# Altium PCB spd150.PcbDoc (part 4 of 15) (continued)
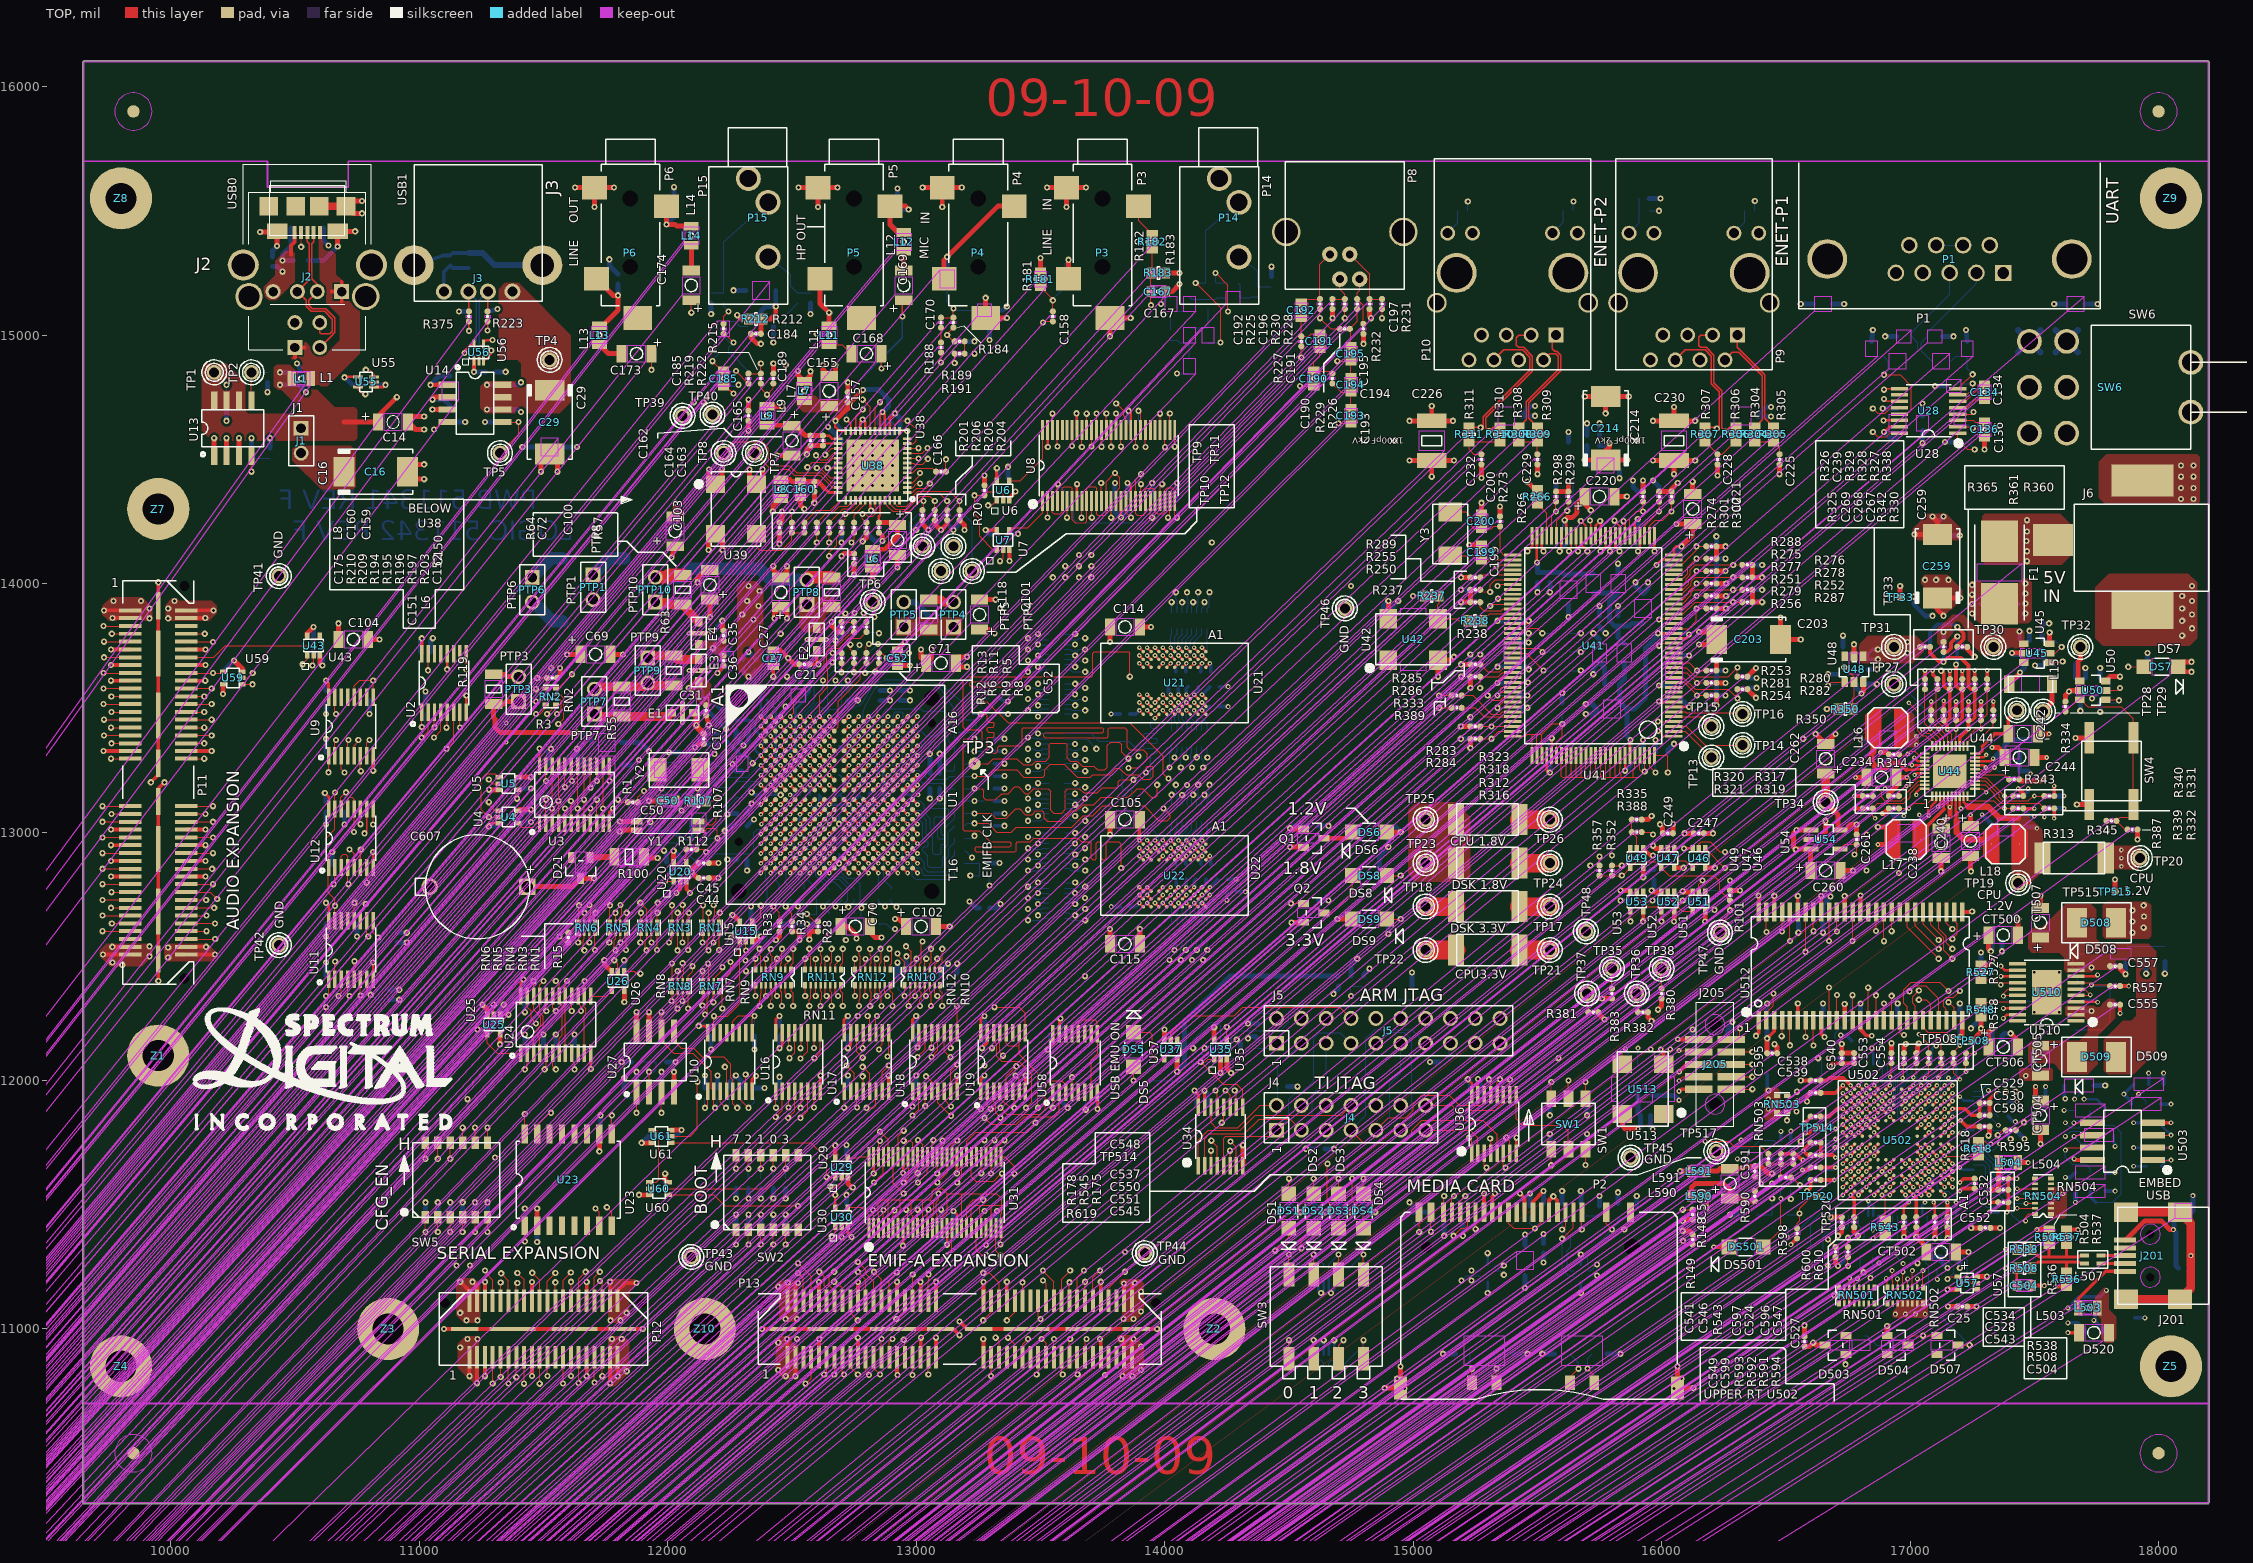
[diagram p0: TOP view]
## Nets (pads, with @x,y where several pads share a name; then routed paths per layer and width w, separated by ;. In a path a pad name is that pad's centre, name@x,y a point inside that pad or via, vN(x,y) a via of type N, cw(c..) or ccw(c..) an arc to the next point about the centre after c; other vN are vias at no path point) (continued)
  LYR3-SIG w4: 12385,12815 12395,12825 12395,12840 12414.3,12859.3 v2(12414.3,12874.2)
  LYR3-SIG w5: v1(12165.2,12674.8) 12195,12645 12222.5,12645 12240,12662.5 12240,12725 12230,12735 12230,12781.4 12264.3,12815.7 12305.1,12815.7 12305.8,12815 12309.8,12815 12314.8,12810 12380,12810 12385,12815
AXR1[2]: RN1.2 U1.P2 | length 591.4
  TOP w5: RN1.2@12184.8,12635.5 12184.8,12659.8 12190,12665 12190,12701.3 v1(12185.4,12705.9)
  TOP w10: v2(12414.3,12913.6) U1.P2@12434,12933.3
  LYR3-SIG w4: 12350,12837.5 12367.5,12855 12377.7,12855 12395,12872.3 12395,12894.3 v2(12414.3,12913.6)
  LYR3-SIG w5: v1(12185.4,12705.9) 12185.4,12671.3 12201.7,12655 12218.3,12655 12230,12666.7 12230,12720 12215,12735 12215,12785 12265,12835 12300,12835 12310,12825 12337.5,12825 12350,12837.5
AXR1[3]: RN1.1 U1.P1 | length 472.9
  TOP w5: RN1.1@12207.4,12635.5 12207.4,12672.4 v1(12210,12675)
  TOP w10: v2(12374.9,12913.6) U1.P1@12394.6,12933.3
  LYR3-SIG w4: 12350,12885 12374.9,12909.9 v2(12374.9,12913.6)
  LYR3-SIG w5: v1(12210,12675) 12210,12715 12170,12755 12170,12815 12190,12835 12250,12835 12280,12865 12330,12865 12350,12885
AXR1[4]: RN3.4 U1.N2 | length 751.8
  TOP w5: RN3.4@12017.6,12635.5 v1(12017.6,12705)
  TOP w10: v2(12414.3,12953) U1.N2@12434,12972.7
  LYR3-SIG w4: 12350,12926 12361.5,12937.5 12398.8,12937.5 v2(12414.3,12953)
  LYR3-SIG w5: v1(12017.6,12705) 12017.6,12669.1 12041.7,12645 12097.5,12645 12115,12662.5 12115,12687.5 12112.6,12689.9 12112.6,12719.2 12145,12751.6 12145,12827 12173,12855 12235,12855 12267.5,12887.5 12317.5,12887.5 12349,12919 12349,12925 12350,12926
AXR1[5]: RN3.3 U1.N1 | length 633.8
  TOP w5: RN3.3@12040.2,12635.5 v1(12040.2,12674.8)
  TOP w10: v2(12374.9,12953) U1.N1@12394.6,12972.7
  LYR3-SIG w4: 12350,12941 12362,12953 v2(12374.9,12953)
  LYR3-SIG w5: v1(12040.2,12674.8) 12060,12655 12093.3,12655 12105,12666.7 12105,12683.3 12102.6,12685.7 12102.6,12723.4 12130,12750.8 12130,12835 12212.9,12917.9 12242.9,12917.9 12260.3,12900.5 12309.5,12900.5 12350,12941
AXR1[6]: RN3.2 U1.M4 | length 784.2
  TOP w5: RN3.2@12059.8,12635.5 12059.8,12659.8 12065,12665 12065,12701.3 v1(12060.4,12705.9)
  TOP w10: v2(12493.1,12992.4) U1.M4@12512.8,13012.1
  LYR3-SIG w4: 12350,12976.9 12420.8,12976.9 12429.8,12985.9 12429.8,12990.5 12447.2,13007.9 12477.6,13007.9 v2(12493.1,12992.4)
  LYR3-SIG w5: v1(12060.4,12705.9) 12060.4,12855.4 12152.5,12947.5 12202.5,12947.5 12265,13010 12306,13010 12339.1,12976.9 12350,12976.9
AXR1[7]: RN3.1 U1.M3 | length 660.8
  TOP w5: RN3.1@12082.4,12635.5 12082.4,12672.4 v1(12085,12675)
  TOP w10: v2(12453.7,12992.4) U1.M3@12473.4,13012.1
  LYR3-SIG w4: 12350,12957.8 12361.1,12968.9 12430.2,12968.9 v2(12453.7,12992.4)
  LYR3-SIG w5: v1(12085,12675) 12085,12720 12115,12750 12115,12840 12205,12930 12245,12930 12260.8,12914.2 12306.4,12914.2 12350,12957.8
AXR1[8]: RN4.4 U1.M2 | length 822.9
  TOP w5: RN4.4@11892.6,12635.5 v1(11892.6,12675)
  TOP w10: v2(12414.3,12992.4) U1.M2@12434,13012.1
  LYR3-SIG w4: 12350,13008.3 12398.4,13008.3 v2(12414.3,12992.4)
  LYR3-SIG w5: v1(11892.6,12675) 11870,12697.6 11870,12735 12170,13035 12311,13035 12337.7,13008.3 12350,13008.3
AXR1[9]: RN4.3 U1.M1 | length 753.6
  TOP w5: v1(11890,12715) 11915.2,12689.8 RN4.3@11915.2,12635.5
  TOP w10: v2(12374.9,12992.4) U1.M1@12394.6,13012.1
  LYR3-SIG w4: 12350,12992.4 v2(12374.9,12992.4)
  LYR3-SIG w5: v1(11890,12715) 11890.1,12715.1 11890.1,12730.4 12184.7,13025 12306,13025 12338.6,12992.4 12350,12992.4
AXR1[10]: RN4.2 U1.N3 | length 862.1
  TOP w5: RN4.2@11934.8,12635.5 11934.8,12689.8 v1(11960,12715)
  TOP w10: v2(12453.7,12953) U1.N3@12473.4,12972.7
  LYR3-SIG w4: 12350,12905 12359,12914 12359,12920 12368.5,12929.5 12430.2,12929.5 v2(12453.7,12953)
  LYR3-SIG w5: v1(11960,12715) 12002.5,12672.5 12002.5,12670 12037.5,12635 12101.7,12635 12125,12658.3 12125,12691.7 12122.6,12694.1 12122.6,12713.3 12155.7,12746.4 12155.7,12823.5 12177.2,12845 12240,12845 12272.5,12877.5 12322.5,12877.5 12350,12905
AXR1[11]: RN4.1 U1.T4 | length 732.6
  TOP w5: RN4.1@11957.4,12635.5 11957.4,12672.4 v1(11960,12675)
  TOP w10: v2(12493.1,12834.8) U1.T4@12512.8,12854.5
  LYR3-SIG w4: 12473.3,12815 v2(12493.1,12834.8)
  LYR3-SIG w5: v1(11960,12675) 12010,12625 12232,12625 12243,12636 12311,12636 12355,12680 12355,12720 12375,12740 12398.3,12740 12473.3,12815
B_RMII_CRS_DV: R241.1 U8.43 | length 2520.2
  TOP w5: U8.43@13765.2,14618 v1(13765.2,14684.8)
  LYR3-SIG w5: v1(13765.2,14684.8) 13765.2,14720.2 13790,14745 14560,14745 15105,14200 15305,14200 15450,14055 15525,14055 15675,13905 v1(15675,13800)
  BOTTOM w5: R241.1@15630,13800 v1(15675,13800)
B_RMII_MDIO_CLK: U8.30 U41.94 | length 2300.3
  TOP w5: U8.30@14021,14618 v1(14021,14684) ; v1(15300,13550) 15320,13530 15350,13530 15363.1,13543.1 U41.94@15401,13543.1
  LYR3-SIG w5: v1(14021,14684) 14060,14645 14510,14645 15095,14060 15195,14060 15235,14020 15350,14020 15380,13990 15380,13764.2 15300,13684.2 v1(15300,13550)
B_RMII_MDIO_D: R236.2 U8.32 U41.95 | length 2442.7
  TOP w5: U8.32@13981.6,14618 v1(13981.6,14683.4) ; v1(15340,13500) 15363.4,13523.4 U41.95@15401,13523.4
  LYR3-SIG w5: v1(13981.6,14683.4) 14008.2,14710 14050,14710 14076,14684 14536,14684 15110,14110 15220,14110 15280,14050 15360,14050 15415,13995 15415,13575 v1(15340,13500)
  BOTTOM w5: v1(15340,13500) R236.2@15380,13500
B_RMII_MHZ_50: R237.1 U8.54 | length 1865.9
  TOP w5: U8.54@13548.7,14618 v1(13548.7,14683.7) ; v1(15000,13950) R237.1@15045,13950
  LYR3-SIG w5: v1(13548.7,14683.7) 13551.3,14683.7 13660,14575 14375,14575 v1(15000,13950)
B_RMII_RXD[0]: R242.1 U8.41 | length 2507.3
  TOP w5: U8.41@13804.5,14618 v1(13804.5,14684.5)
  LYR3-SIG w5: v1(13804.5,14684.5) 13840,14720 14535,14720 15125,14130 15310,14130 15460,13980 15460,13970 15546,13884 15546,13779 v1(15675,13650)
  BOTTOM w5: R242.1@15630,13650 v1(15675,13650)
B_RMII_RXD[1]: R243.1 U8.39 | length 2544.3
  TOP w5: v1(13805,14725) 13835,14695 13835,14675 13843.9,14666.1 U8.39@13843.9,14618
  LYR3-SIG w5: v1(13805,14725) 13810,14730 14550,14730 15100,14180 15300,14180 15440,14040 15510,14040 15601.5,13948.5 15601.5,13798.5 v1(15675,13725)
  BOTTOM w5: R243.1@15630,13725 v1(15675,13725)
B_RMII_RXER: R22.1 U8.36 | length 125.3
  TOP w5: v1(13895,14695) 13902.9,14687.1 U8.36@13902.9,14618
  BOTTOM w5: R22.1@13895,14650 v1(13895,14695)
B_RMII_TXD[0]: U8.50 U41.75 | length 2115.7
  TOP w5: v1(13627,14553) 13627.4,14553.4 U8.50@13627.4,14618 ; v1(15310,13910) 15317.5,13917.5 U41.75@15401,13917.5
  LYR3-SIG w5: v1(13627,14553) 13627,14548 13655,14520 14385,14520 15000,13905 15305,13905 v1(15310,13910)
B_RMII_TXD[1]: U8.47 U41.74 | length 2097
  TOP w5: U8.47@13686.4,14618 v1(13686.4,14683.6) ; v1(15341.2,13939.2) 15343.2,13937.2 U41.74@15401,13937.2
  LYR3-SIG w5: v1(13686.4,14683.6) 13775,14595 14470,14595 15120,13945 15260,13945 15275,13930 15332,13930 v1(15341.2,13939.2)
B_RMII_TXEN: U8.45 U41.71 | length 2086.5
  TOP w5: U8.45@13725.8,14618 v1(13725.8,14684.2) ; v1(15340,13990) 15346.3,13996.3 U41.71@15401,13996.3
  LYR3-SIG w5: v1(13725.8,14684.2) 13795,14615 14485,14615 15145,13955 15264.2,13955 15279.2,13940 15313,13940 15340,13967 v1(15340,13990)
BE0: U502.J4 U512.15 | length 855.3
  TOP w5: U512.15@16831.5,12242 v1(16831.5,12373.5)
  TOP w10: U502.J4@17060.3,11807.3 v2(17076,11823)
  LYR8-SIG w4: 16950,12055 16950,11864 16975.5,11838.5 17060.5,11838.5 v2(17076,11823)
  LYR8-SIG w5: v1(16831.5,12373.5) 16831.5,12333.5 16903.5,12261.5 16903.5,12101.5 16950,12055
BE1: U502.K2 U512.39 | length 982.6
  TOP w5: v1(16863,12602) U512.39@16863,12678
  TOP w10: U502.K2@17123.3,11838.8 v2(17139,11854.5)
  LYR8-SIG w4: 17115,12070 17129.5,12055.5 17129.5,12004.5 17123.5,11998.5 17123.5,11870 v2(17139,11854.5)
  LYR8-SIG w5: v1(16863,12602) 16893,12602 17080,12415 17080,12105 17115,12070
BOOT_DISABLE: U5.2 U6.1 U26.2 U29.1 U52.4 U53.2 U61.1 | length 11342.9
  TOP w5: v1(11280,13211) 11280,13210 11295,13195 U5.2@11321,13195 ; v1(11785,12484) 11785,12485 11800,12470 U26.2@11800,12439 ; U61.1@12014,11749.4 12575.6,11749.4 12640,11685 v1(12640,11611) U29.1@12674.4,11611 ; v1(13290,14315) 13303.4,14315 U6.1@13324.4,14336 ; U53.2@15900,12759 15900,12740 15940,12700 15980.4,12700 U52.4@15999.4,12681 v1(15999.4,12640.6)
  LYR3-SIG w5: v1(11785,12484) 11819,12450 11898.3,12450 11938.3,12410 12240.1,12410 v1(12313.4,12483.3)
  LYR4-SIG w5: v1(11280,13211) 11289,13211 11370,13130 11370,12717.5 11630,12457.5 11758.5,12457.5 v1(11785,12484) ; v1(12313.4,12483.3) 12310,12486.7 12310,12490 12295,12505 12295,12590 12235,12650 12235,12710 12155,12790 12105,12790 12065,12830 11960,12830 11850,12940 11850,13290 12035,13475 12035,13535 12060,13560 12060,13595 12105,13640 12105,13665 12130,13690 12385,13690 12552.5,13857.5 12572.5,13857.5 12715,14000 12715,14030 12750,14065 12805,14065 13015,14275 13250,14275 v1(13290,14315)
  LYR7-SIG w5: v1(12313.4,12483.3) 12316.7,12480 12320,12480 12415,12385 12755,12385 12775,12365 12775,12325 12790,12310 12790,12285 12785,12280 12785,12170 12765,12150 12765,12005 12805,11965 13265,11965 13390,12090 13390,12180 13675,12465 13910,12465 13970,12405 15590,12405 15745,12560 15920,12560 15999.4,12639.4 v1(15999.4,12640.6)
  LYR8-SIG w5: v1(12313.4,12483.3) 12316.7,12480 12320,12480 12345,12455 12345,12380 12325,12360 12325,12315 12395,12245 12405,12245 12510,12140 12510,12015 12620,11905 12620,11631 v1(12640,11611)
BOOT_DISABLEN: TP48.1 U2.15 U4.1 U7.2 U9.15 U10.15 U11.15 U12.1 U12.15 U15.1 U25.1 U30.2 U43.1 U53.4 | length 13449.2
  TOP w5: v1(10530,13675) 10549.4,13694.4 U43.1@10549.4,13711 ; U11.15@10661,12642.6 v1(10661,12703) 10661,12729 10635,12755 10635,12857 U12.1@10635.4,12857.4 10635.4,12900 10625,12910.4 10625,12975 10661,13011 U12.15@10661,13092.6 v1(10661,13159) ; U9.15@10661,13542.6 10661,13479 v1(10665,13475) ; v1(11036,13651) U2.15@11036,13717.6 ; v1(11280,13120) 11280,13110 11304.4,13085.6 U4.1@11321,13085.6 ; U25.1@11325.6,12264 11359,12264 v1(11360,12265) ; U10.15@12186,12192.6 12186,12258 v1(12187,12259) 12239,12259 12289.4,12309.4 U15.1@12289.4,12561 ; v1(12700,11370) U30.2@12700,11411 ; v1(13338,14090) 13350,14102 U7.2@13350,14136 ; v1(15874.4,12640.6) U53.4@15874.4,12681
  LYR3-SIG w5: v1(10530,13675) 10530,13610 v1(10665,13475) 10725,13535 10805,13535 10921,13651 v1(11036,13651) ; v1(10661,12703) 10685,12679 10685,12470 10740,12415 10935,12415 11085,12265 v1(11360,12265) ; v1(12765,12260) 12790,12285 12790,12305 12820,12335 12820,12350 12833.7,12363.7 12907.2,12363.7 12930,12340.9 12930,12295 13050,12175 13260,12175 v1(13305,12130)
  LYR4-SIG w5: v1(10661,13159) 10615,13205 10615,13315 10645,13345 10645,13455 v1(10665,13475) ; v1(11036,13651) 10932.5,13547.5 10932.5,13397.5 11210,13120 v1(11280,13120) ; v1(12700,11370) 12700,11815 12735,11850 12735,11915 12765,11945 v1(12765,12260)
  LYR7-SIG w5: v1(11280,13120) 11240,13160 11240,13550 11225,13565 11225,13690 11205,13710 11205,14110 11345,14250 11785,14250 11900,14135 12075,14135 12105,14105 12610,14105 12630,14085 12940,14085 13015,14010 13275,14010 13338,14073 v1(13338,14090) ; v1(11360,12265) 11370,12255 11490,12255 11515,12230 12095,12230 12110,12245 12164.6,12245 12178.6,12259 v1(12187,12259) 12301,12259 12330,12230 12735,12230 v1(12765,12260) ; v1(13305,12130) 13730,12555 14955,12555 14975,12575 15670,12575 TP48.1@15695,12600 15833.8,12600 v1(15874.4,12640.6)
BOOTMODE[0]: R130.1 RN7.7 SW2.9 U24.4 U24.21 | length 2350.1
  TOP w5: U24.4@11486,12110 11486,12170.7 11480,12176.7 11480,12193.3 11500,12213.3 11500,12259.2 11486,12273.2 U24.21@11486,12340 11486,12386 v1(11500,12400) ; v1(12183.5,12315) 12183.5,12358.2 RN7.7@12184.8,12359.5 ; v1(12425,11645) SW2.9@12425,11700
  LYR3-SIG w5: v1(12183.5,12315) 12165,12315 12155,12325 12134.7,12325 12115,12305.3 12115,12250 12095,12230 12095,11916.7 12291.7,11720 12350,11720 v1(12425,11645)
  LYR8-SIG w5: v1(11500,12400) 11575,12325 11690,12325 11825,12190 12190,12190 12245,12245 12245,12300 12230,12315 v1(12183.5,12315)
  BOTTOM w5: R130.1@12425,11605 v1(12425,11645)
BOOTMODE[1]: R129.1 RN7.8 SW2.10 U24.7 U24.18 | length 2276.3
  TOP w5: v1(11550,12400) 11562.8,12387.2 U24.18@11562.8,12340 11562.8,12312.2 11575,12300 11575,12181.7 11562.8,12169.5 U24.7@11562.8,12110 ; RN7.8@12207.4,12359.5 12220,12346.9 v1(12220,12290) ; v1(12375,11645) SW2.10@12375,11700
  LYR3-SIG w5: v1(12220,12290) 12220,12313.3 12193.3,12340 12135.5,12340 12105,12309.5 12105,12265 12078.8,12238.8 12078.8,11889.1 12281.4,11686.5 12333.5,11686.5 v1(12375,11645)
  LYR8-SIG w5: v1(11550,12400) 11615,12335 11700,12335 11835,12200 12165,12200 12220,12255 v1(12220,12290)
  BOTTOM w5: R129.1@12375,11605 v1(12375,11645)
BOOTMODE[2]: R128.1 RN7.5 SW2.11 U24.3 U24.22 | length 2550.2
  TOP w5: U24.3@11460.4,12110 11460.4,12192.1 11490,12221.7 11490,12255 11460.4,12284.6 U24.22@11460.4,12340 v1(11460.4,12399.6) ; v1(12139.5,12301.5) 12140,12302 12140,12320 12142.6,12322.6 RN7.5@12142.6,12359.5 ; v1(12325,11645) SW2.11@12325,11700
  LYR3-SIG w5: v1(12139.5,12301.5) 12139.5,12299.5 12130.6,12290.6 12130.6,12254.4 12253,12132 12253,11972 12300,11925 12300,11820 12450,11670 12450,11630 12440,11620 12350,11620 v1(12325,11645)
  LYR8-SIG w5: v1(11460.4,12399.6) 11545,12315 11670,12315 11805,12180 12195,12180 12255,12240 12255,12310 12225,12340 12160,12340 12140,12320 12140,12302 v1(12139.5,12301.5)
  BOTTOM w5: R128.1@12325,11605 v1(12325,11645)
BOOTMODE[3]: RN7.6 U24.11 U24.14 U60.4 | length 2446
  TOP w5: v1(11665,12400) 11665.2,12399.8 U24.14@11665.2,12340 11665.2,12295 11671,12289.2 11671,12266.6 11665.2,12260.8 U24.11@11665.2,12110 ; U60.4@12004,11539.4 12185.6,11539.4 12230,11495 v1(12525,11495) ; v1(12150.6,12266.1) 12160,12275.5 12160,12330 12165.2,12335.2 RN7.6@12165.2,12359.5
  LYR3-SIG w5: v1(12150.6,12266.1) 12155.2,12266.1 12164.6,12256.7 12164.6,12245.4 12410,12000 12410,11840 12500,11750 12500,11520 v1(12525,11495)
  LYR8-SIG w5: v1(11665,12400) 11850,12215 12090.5,12215 12140.5,12265 12149.5,12265 v1(12150.6,12266.1)
BOOTMODE[7]: R127.1 RN8.5 SW2.12 U11.4 | length 2362.6
  TOP w5: U11.4@10712.2,12407.4 10712.2,12347.8 v1(10720,12340) ; v1(12015,12320) 12017.6,12322.6 RN8.5@12017.6,12359.5 ; v1(12275,11645) SW2.12@12275,11700
  LYR3-SIG w5: v1(12015,12320) 12015,12270 12060,12225 12060,11860 v1(12275,11645)
  LYR7-SIG w5: v1(10720,12340) 10800,12260 11325,12260 11410,12345 11990,12345 v1(12015,12320)
  BOTTOM w5: R127.1@12275,11605 v1(12275,11645)
C5509_CLK12MHZ: R618.2 U502.F2 | length 159.1
  TOP w4: v2(17139,11696.9) 17140.9,11695 R618.2@17255,11695
  TOP w5: R618.2@17255,11695 R618.2@17275,11695
  TOP w10: U502.F2@17123.3,11712.7 v2(17139,11696.9)
C5509_RSN: U502.H12 U511.86 | length 218.4
  TOP w10: v2(16792.4,11791.5) U502.H12@16808.2,11775.8
  BOTTOM w4: U511.86@16645,11720.6 16682.3,11720.6 16690,11712.9 16735.9,11712.9 16744.9,11721.9 16744.9,11744 v2(16792.4,11791.5)
CLK_12MHZ: R618.1 U511.38 | length 131.2
  TOP w5: R618.1@17275,11755 17300,11755 17310,11745 17324,11745 v3(17325,11744)
  BOTTOM w5: U511.38@17255,11760 17305.7,11760 17310.7,11755 17314,11755 v3(17325,11744)
CLKMEM: R591.1 U512.38 | length 734.4
  TOP w5: v1(16894.5,12560.5) U512.38@16894.5,12678 ; R591.1@17175,12110 17175,12115 v2(17200,12140)
  LYR3-SIG w5: v1(16894.5,12560.5) 17095,12360 17095,12325 17225,12195 17225,12150 17215,12140 v2(17200,12140)
CLKR0: RN502.10 U502.B5 | length 471.6
  TOP w5: RN502.10@17029,11167 v3(17029,11202)
  TOP w10: U502.B5@17028.8,11586.7 v2(17044.5,11570.9)
  LYR4-SIG w4: 16995,11455 16995,11471 17029,11505 17029,11555.4 v2(17044.5,11570.9)
  LYR4-SIG w5: 16995,11455 16995,11340 16990,11335 16990,11229.6 17017.6,11202 v3(17029,11202)
CLKX0: JP506.1 RN502.12 U502.C6 | length 1499
  TOP w5: RN502.12@16989.8,11167 v3(16989.8,11202)
  TOP w10: U502.C6@16997.3,11618.2 v2(17013,11602.4)
  LYR3-SIG w4: v2(17013,11602.4) 17013,11603 17028,11618 17255,11618
  LYR3-SIG w5: 17255,11618 17403,11618 17430,11645 17735,11645 v3(17825,11735)
  LYR4-SIG w4: 16910.1,11455 16910.1,11465.1 16945,11500 16945,11565 16966.4,11586.4 16996.4,11586.4 17012.4,11602.4 v2(17013,11602.4)
  LYR4-SIG w5: 16910.1,11455 16910.1,11227.7 16920.3,11217.5 16939.5,11217.5 16941.6,11219.6 16956.2,11219.6 16958.3,11217.5 16958.5,11217.5 16974,11202 v3(16989.8,11202)
  BOTTOM w10: JP506.1@17820,11780 17820,11750 17825,11745 v3(17825,11735)
CPU_1V2: C57.1 C58.1 PTP5.2 PTP6.2 R116.1 R117.1 R313.2 R347.1 TP20.1 U1.B1 | length 1037.1
  TOP w10: v2(12374.9,13425.8) U1.B1@12394.6,13406.1
  LYR3-SIG w25: 11415,13925 PTP6.2@11455,13925 ; 11455,13885 PTP6.2@11455,13925 ; 11455,13965 PTP6.2@11455,13925 ; 11495,13925 PTP6.2@11455,13925
  LYR8-SIG w25: 12910,13925 PTP5.2@12950,13925 ; 12950,13885 PTP5.2@12950,13925 ; 12950,13965 PTP5.2@12950,13925 ; 12990,13925 PTP5.2@12950,13925
  BOTTOM w10: v1(12325,13625) 12375,13575 12375,13495 12395,13475 12395,13445.9 v2(12374.9,13425.8)
  BOTTOM w15: C57.1@12303,13655 12303,13647 v1(12325,13625) 12350,13650 C58.1@12354.8,13651.7
  BOTTOM w20: R347.1@17540,13770 17530,13780 17530,13830 17540,13840 v1(17560,13840)
  BOTTOM w25: PTP5.2@12950,13925 12995,13925 R117.1@13050,13870
  BOTTOM w50: PTP6.2@11455,13925 11460,13925 11537.5,13847.5 R116.1@11575,13847.5
  other v1: 12345,13855 12300,13875 12365,13910 12320,13930 12370,13970 12325,13990 13550,14025 13600,14025 13655,14025 13705,14025 13600,14070 13655,14070 13705,14070 13655,14115 13705,14115
  other v2: 17850,12862 17850,12895 17850,12928
CPU_1V8: PTP8.2 PTP10.2 R57.2 R64.2 R323.2 TP26.1 | length 4708.6
  TOP w50: PTP10.2@11950,14025 11995,14025 12005,14035 R64.2@12060,14035 ; PTP8.2@12560,14015 12570,14025 R57.2@12660,14025
  TOP w75: R323.2@15427.5,13050 TP26.1@15550,13050
  LYR3-SIG w50: v1(14190,14165) 15305,13050 TP26.1@15550,13050
  LYR8-SIG w50: PTP8.2@12560,14015 12560,14095 12545,14110 12545,14190 12585,14230 12850,14230 12890,14270 13420,14270 13495,14195 14160,14195 v1(14190,14165)
  BOTTOM w50: PTP10.2@11950,14025 12050,14025 12085,14060 12370,14060 12415,14015 PTP8.2@12560,14015
CPU_3V3: PTP1.2 PTP7.2 PTP9.2 R55.2 R63.2 R115.2 R316.2 TP22.1 | length 5116.1
  TOP w35: PTP7.2@11705,13575 11715,13585 R55.2@11815,13585 11905,13585 PTP9.2@11920,13600 11930,13590 R63.2@12025,13590
  TOP w75: TP22.1@15050,12525 R316.2@15172.5,12525
  LYR3-SIG w50: PTP9.2@11920,13600 11968.6,13600 12063.6,13695 12205.2,13695 12220.2,13680 12350,13680 12375,13655 12375,13605 12400,13580 12535,13580 12570,13545 12719.8,13545 12742.3,13567.5 12742.7,13567.5 12770.2,13595 12850,13595 12872.5,13617.5 13009.6,13617.5 13065.4,13672.5 13092.5,13672.5 13290,13870 13615,13870 13865,14120 14108,14120 14405,13823 14405,13200 14795,12810 14795,12580 14850,12525 TP22.1@15050,12525
CPU_EMIFB_A0: RN14.11 U1.D10 | length 1083.9
  TOP w10: U1.D10@12749.2,13327.3 v2(12768.9,13347)
  LYR8-SIG w4: v2(12768.9,13347) 12782,13360.1 12782,13371.5 12792.8,13382.3 12792.8,13392.9 12801.8,13401.9 12814.8,13401.9 12825,13412.1 12825,13430 12844.7,13449.7 12854.2,13449.7 12863.2,13458.7 12863.2,13468.2 12880,13485 ; 12942.8,13485 12945.5,13482.3 12945.5,13373 12953.6,13364.9 13011.4,13364.9 13025,13351.3
  LYR8-SIG w5: 12880,13485 12888.1,13493.1 12934.7,13493.1 12942.8,13485 ; 13025,13351.3 13037,13339.3 13060.3,13339.3 13075,13324.6 13075,13306.7 13086.7,13295 13165.8,13295 13215.8,13345 13370,13345 13425,13290 v1(13450.1,13290)
  BOTTOM w5: v1(13450.1,13290) 13504.5,13290 13510.1,13295.6 RN14.11@13533.1,13295.6
CPU_EMIFB_A1: RN14.12 U1.C10 | length 1085.8
  TOP w10: U1.C10@12749.2,13366.7 v2(12768.9,13386.4)
  LYR8-SIG w4: v2(12768.9,13386.4) 12792.8,13410.3 12792.8,13432.3 12801.8,13441.3 12814.8,13441.3 12825,13451.5 12825,13475 12835,13485 ; 12984.9,13485 12985.5,13484.4 12985.5,13412.5 12993.6,13404.4 13019,13404.4 13025,13398.4
  LYR8-SIG w5: 12835,13485 12860,13510 12959.9,13510 12984.9,13485 ; 13025,13398.4 13084.5,13338.9 13166.5,13338.9 13171.5,13343.9 13171.5,13395.1 13186.2,13409.8 13251.6,13409.8 13306.4,13355 13380,13355 13425,13310 v1(13490.1,13310)
  BOTTOM w5: v1(13490.1,13310) 13495.1,13315 13527.5,13315 13527.7,13315.2 RN14.12@13533.1,13315.2
CPU_EMIFB_A2: RN14.13 U1.B10 | length 1085.2
  TOP w10: U1.B10@12749.2,13406.1 v2(12768.9,13425.8)
  LYR8-SIG w4: v2(12768.9,13425.8) 12785,13441.9 12785,13455
  LYR8-SIG w5: 12785,13455 12792.3,13462.3 12792.3,13477.3 12865,13550 12903.3,13550 12915,13561.7 12915,13577.7 12930.4,13593.1 13094.1,13593.1 13143.3,13555.2 13158.3,13540.2 13158.4,13540.2 13257.1,13441.5 13318.6,13441.5 13338.7,13421.4 13338.7,13415.2 13334.2,13410.7 13328,13410.7 13318.4,13420.3 13312.2,13420.3 13307.7,13415.8 13307.7,13409.6 13328,13389.3 13334.2,13389.3 13349.4,13404.5 13355.6,13404.5 13425.3,13334.8 v1(13450.3,13334.8)
  BOTTOM w5: v1(13450.3,13334.8) 13475,13334.8 13479.8,13330 13505.3,13330 13510.1,13334.8 RN14.13@13533.1,13334.8
CPU_EMIFB_A3: RN14.14 U1.A10 | length 1083.6
  TOP w10: U1.A10@12749.2,13445.5 v2(12768.9,13465.2)
  LYR8-SIG w4: v2(12768.9,13465.2) 12768.9,13478.9
  LYR8-SIG w5: 12768.9,13478.9 12898.3,13608.3 13186.7,13608.3 13221.2,13573.8 13221.2,13567.6 13216.7,13563.1 13210.5,13563.1 13191.6,13582 13185.4,13582 13180.9,13577.5 13180.9,13547.1 13207.9,13520.1 13225.2,13520.1 13230.2,13515.1 13230.2,13505.3 13235.2,13500.3 13279.7,13500.3 13305,13475 13418.4,13366 13458.6,13354.8 13459,13354.4 v1(13490.7,13354.4)
  BOTTOM w5: v1(13490.7,13354.4) RN14.14@13533.1,13354.4
CPU_EMIFB_A4: RN14.10 U1.D11 | length 1086
  TOP w10: U1.D11@12788.6,13327.3 v2(12808.3,13347)
  LYR8-SIG w4: v2(12808.3,13347) 12826,13329.3 12826,13306 12841.7,13290.3 12854.1,13290.3 12866.5,13302.7 12866.5,13433.5 12877.9,13444.9 12899.5,13444.9 12907.6,13436.8 12907.6,13333.6 12915.2,13326 13013,13326 13025,13314
  LYR8-SIG w5: 13025,13314 13058.4,13280.6 13199,13280.6 13218.3,13299.9 13394.5,13299.9 13429.4,13265 v1(13490.1,13265)
  BOTTOM w5: v1(13490.1,13265) 13501.1,13276 RN14.10@13533.1,13276
CPU_EMIFB_A5: RN14.9 U1.C11 | length 1082.4
  TOP w10: U1.C11@12788.6,13366.7 v2(12808.3,13386.4)
  LYR8-SIG w4: v2(12808.3,13386.4) 12790,13368.1 12790,13255 12797.4,13247.6 12891.4,13247.6 12905.5,13261.7 12905.5,13276.3 12916.5,13287.3 13022.7,13287.3
  LYR8-SIG w5: 13022.7,13287.3 13029,13287.3 13051.3,13265 13192.3,13265 13212.3,13245 13262,13245 13266.4,13249.4 13266.4,13270.6 13270.8,13275 13287,13275 13291.4,13270.6 13291.4,13264.4 13287,13260 13285.8,13260 13281.4,13255.6 13281.4,13249.4 13285.8,13245 13375,13245 13379.4,13249.4 13379.4,13270.6 13383.8,13275 13396.5,13275 13400.9,13270.6 13400.9,13264.4 13394.4,13257.9 13394.4,13249.4 13398.8,13245 v1(13450.1,13245)
  BOTTOM w5: v1(13450.1,13245) 13501.7,13245 13510.1,13253.4 RN14.9@13533.1,13253.4
CPU_EMIFB_A6: RN16.14 U1.B11 | length 1085.5
  TOP w10: U1.B11@12788.6,13406.1 v2(12808.3,13425.8)
  LYR7-SIG w4: v2(12808.3,13425.8) 12830,13447.5 12830,13485
  LYR7-SIG w5: 12830,13485 12850,13505 12905,13505 12920,13520 12920,13580 12960,13620 13190,13620 13237.5,13667.5 13317.8,13667.5 13345.9,13639.4 13345.9,13515 13355.9,13505 13385,13505 13390,13510 13390,13535 13409.8,13554.8 13458.6,13554.8 13459,13554.4 v1(13490.7,13554.4)
  BOTTOM w5: v1(13490.7,13554.4) RN16.14@13533.1,13554.4
CPU_EMIFB_A7: RN16.15 U1.A11 | length 1080.3
  TOP w10: U1.A11@12788.6,13445.5 v2(12808.3,13465.2)
  LYR7-SIG w4: v2(12808.3,13465.2) 12808.3,13483.3
  LYR7-SIG w5: 12808.3,13483.3 12808.3,13518.3 12925,13635 13130,13635 13150,13655 13150,13710 13160,13720 13175,13720 13180,13725 13180,13765 13190,13775 13220,13775 13230,13765 13230,13715 13240,13705 13325.1,13705 v1(13450.1,13580)
  BOTTOM w5: v1(13450.1,13580) 13476.8,13580 13482.4,13574.4 13499,13574.4 13499.4,13574 RN16.15@13533.1,13574
CPU_EMIFB_A8: RN16.10 U1.D12 | length 1086.4
  TOP w10: U1.D12@12828,13327.3 v2(12847.7,13347)
  LYR7-SIG w4: v2(12847.7,13347) 12865.7,13365 12972.4,13365 12974.5,13362.9 13012.1,13362.9 13025,13350
  LYR7-SIG w5: 13025,13350 13038.1,13336.9 13163.2,13336.9 13201.4,13298.7 13361.7,13298.7 13439.1,13221.3 13516.8,13221.3 13541.1,13245.6 13541.1,13414 v1(13490.1,13465)
  BOTTOM w5: v1(13490.1,13465) 13501.1,13476 RN16.10@13533.1,13476
CPU_EMIFB_A9: RN16.11 U1.C12 | length 1085.7
  TOP w10: U1.C12@12828,13366.7 v2(12847.7,13386.4)
  LYR7-SIG w4: v2(12847.7,13386.4) 12866.3,13405 12973,13405 12988.1,13389.9 12988.1,13381.6 12998.8,13370.9 13011.8,13370.9 13012.3,13371.4 13025.1,13371.4
  LYR7-SIG w5: 13025.1,13371.4 13048.6,13371.4 13066.2,13353.8 13122.6,13353.8 13192.3,13423.5 13192.3,13536.5 13220.8,13565 13260,13565 13295,13530 13295,13430 13315,13410 13415,13410 13450.1,13445.1 v1(13450.1,13490)
  BOTTOM w5: v1(13450.1,13490) 13500,13490 13505.6,13495.6 RN16.11@13533.1,13495.6
CPU_EMIFB_A10: RN16.16 U1.A9 | length 1089.7
  TOP w10: U1.A9@12709.8,13445.5 v2(12729.5,13465.2)
  LYR7-SIG w4: v2(12729.5,13465.2) 12749.3,13485
  LYR7-SIG w5: 12749.3,13485 12750,13485 12915,13650 13100,13650 13135,13685 13135,13759.5 13165.5,13790 13265,13790 13435,13620 13466.7,13620 v1(13490.1,13596.6)
  BOTTOM w5: v1(13490.1,13596.6) RN16.16@13533.1,13596.6
CPU_EMIFB_A11: RN16.13 U1.B12 | length 1088.8
  TOP w10: U1.B12@12828,13406.1 v2(12847.7,13425.8)
  LYR7-SIG w4: v2(12847.7,13425.8) 12865,13443.1 12865,13475
  LYR7-SIG w5: 12865,13475 12880,13490 12920,13490 12950,13520 12950,13580 12970,13600 13199.6,13600 13229.6,13630 13310,13630 13330,13610 13330,13455 13340,13445 13390,13445 13405,13460 13405,13515 13424.8,13534.8 v1(13450.3,13534.8)
  BOTTOM w5: v1(13450.3,13534.8) 13482,13534.8 13482.4,13534.4 13499,13534.4 13499.4,13534.8 RN16.13@13533.1,13534.8
CPU_EMIFB_A12: RN16.12 U1.B15 | length 1084.9
  TOP w10: U1.B15@12946.2,13406.1 v2(12965.9,13425.8)
  LYR7-SIG w4: v2(12965.9,13425.8) 12980.3,13425.8 12995.8,13410.3 13024.1,13410.3 13025,13409.4
  LYR7-SIG w5: 13025,13409.4 13043.6,13390.8 13059.7,13390.8 13063.4,13387.1 13086,13387.1 13157.2,13458.3 13157.2,13536.2 13226,13605 13290,13605 13315,13580 13315,13440 13325,13430 13405,13430 13425,13450 13425,13495 13440,13510 13460,13510 13485,13485 13510,13485 13525,13500 13525,13525 13520,13530 13510.1,13530 v1(13490.1,13510)
  BOTTOM w5: v1(13490.1,13510) 13495.3,13515.2 RN16.12@13533.1,13515.2
CPU_EMIFB_BA0: RN14.15 U1.C9 | length 1085.2
  TOP w10: U1.C9@12709.8,13366.7 v2(12729.5,13386.4)
  LYR8-SIG w4: v2(12729.5,13386.4) 12753.4,13410.3 12753.4,13420
  LYR8-SIG w5: 12753.4,13420 12752.9,13420.5 12752.9,13487.9 12890,13625 13195,13625 13325,13495 13325,13475 13349.8,13449.8 v1(13450.1,13380)
  BOTTOM w5: v1(13450.1,13380) 13475,13380 13480.6,13374.4 13532.7,13374.4 RN14.15@13533.1,13374
CPU_EMIFB_BA1: RN14.16 U1.B9 | length 1089.2
  TOP w10: U1.B9@12709.8,13406.1 v2(12729.5,13425.8)
  LYR8-SIG w4: 12714,13471.7 12714,13441.3 v2(12729.5,13425.8)
  LYR8-SIG w5: 12714,13471.7 12714,13507.3 12761.9,13555.2 12791.2,13555.2 12877.3,13641.3 13203.7,13641.3 13346,13499 13378.7,13499 v1(13490.1,13396.6)
  BOTTOM w5: v1(13490.1,13396.6) RN14.16@13533.1,13396.6
CPU_RESET: R101.2 R102.1 R363.2 TP47.1 U1.G3 U47.4 U61.2 | length 7160.3
  TOP w5: U61.2@12014,11775 12090,11775 12120,11805 v1(12120,11995) ; U47.4@15999.4,12856 16030.4,12825 16210,12825 16235,12800 16235,12765 R101.2@16275,12725 v1(16275,12685) TP47.1@16235,12595
  TOP w10: v2(12453.7,13228.8) U1.G3@12473.4,13209.1
  LYR4-SIG w4: v2(12453.7,13228.8) 12453.7,13216.3 12475,13195 12475,13180 12485,13170 12500,13170 12530,13140 12575,13140 12590,13125 12590,12945 12600,12935 13025,12935
  LYR4-SIG w5: 13025,12935 13075,12935 13590,12420 v1(13680,12420)
  LYR7-SIG w5: v1(12120,11995) 12170,11945 13410,11945 13485,12020 13485,12225 v1(13680,12420) 13725,12375 15620,12375 15770,12525 16165,12525 TP47.1@16235,12595
  BOTTOM w5: R363.2@16225,12725 R102.1@16275,12725 v1(16275,12685)

## Text inside footprints (layer, text, board x,y; h text height)
R535: PIN_NUMBER "2" at 17694,10985 h40; PIN_NUMBER "1" at 17754,10985 h40; SYMB_DIM "PAD 35X45OV" at 17555,11060 h40; SYMB_DIM "SM  43X53OV" at 17555,11000 h40; SYMB_DIM "SP  35X45OV" at 17555,10930 h40; SYMB_DIM "R603-35X45" at 17950,11175 h40; SYMB_DIM "0" at 17760,10845 h40; SYMB_DIM "0" at 17885,10965 h40; ASSEMBLY_BOTTOM "680K" at 17765,10970 h40; ASSEMBLY_BOTTOM "X" at 17735,10970 h40; ASSEMBLY_BOTTOM "X" at 17700,10970 h40
R536: PIN_NUMBER "2" at 17614,11170 h40 r270; PIN_NUMBER "1" at 17614,11230 h40 r270; ASSEMBLY_TOP "1M" at 17615,11225 h40 r270; ASSEMBLY_TOP "X" at 17615,11195 h40 r270; ASSEMBLY_TOP "X" at 17615,11160 h40 r270; SYMB_DIM "PAD 35X45OV" at 17705,11015 h40 r270; SYMB_DIM "SM  43X53OV" at 17645,11015 h40 r270; SYMB_DIM "SP  35X45OV" at 17575,11015 h40 r270; SYMB_DIM "R603-35X45" at 17820,11410 h40 r270; SYMB_DIM "0" at 17490,11220 h40 r270; SYMB_DIM "0" at 17610,11345 h40 r270
R537: PIN_NUMBER "2" at 17614,11400 h40 r90; PIN_NUMBER "1" at 17614,11340 h40 r90; ASSEMBLY_TOP "1M" at 17645,11345 h40 r90; ASSEMBLY_TOP "X" at 17645,11375 h40 r90; ASSEMBLY_TOP "X" at 17645,11410 h40 r90; SYMB_DIM "PAD 35X45OV" at 17555,11555 h40 r90; SYMB_DIM "SM  43X53OV" at 17615,11555 h40 r90; SYMB_DIM "SP  35X45OV" at 17685,11555 h40 r90; SYMB_DIM "R603-35X45" at 17440,11160 h40 r90; SYMB_DIM "0" at 17770,11350 h40 r90; SYMB_DIM "0" at 17650,11225 h40 r90
R538: PIN_NUMBER "2" at 17474,11320 h40; PIN_NUMBER "1" at 17414,11320 h40; ASSEMBLY_TOP "1.5K 1%" at 17435,11305 h40; ASSEMBLY_TOP "X" at 17465,11305 h40; ASSEMBLY_TOP "X" at 17500,11305 h40; SYMB_DIM "PAD 35X45OV" at 17645,11395 h40; SYMB_DIM "SM  43X53OV" at 17645,11335 h40; SYMB_DIM "SP  35X45OV" at 17645,11265 h40; SYMB_DIM "R603-35X45" at 17250,11510 h40; SYMB_DIM "0" at 17440,11180 h40; SYMB_DIM "0" at 17315,11300 h40
R539: PIN_NUMBER "2" at 18054,11345 h40; PIN_NUMBER "1" at 18114,11345 h40; SYMB_DIM "PAD 35X45OV" at 17915,11420 h40; SYMB_DIM "SM  43X53OV" at 17915,11360 h40; SYMB_DIM "SP  35X45OV" at 17915,11290 h40; SYMB_DIM "R603-35X45" at 18310,11535 h40; SYMB_DIM "0" at 18120,11205 h40; SYMB_DIM "0" at 18245,11325 h40; ASSEMBLY_BOTTOM "1M" at 18125,11330 h40; ASSEMBLY_BOTTOM "X" at 18095,11330 h40; ASSEMBLY_BOTTOM "X" at 18060,11330 h40
R543: PIN_NUMBER "1" at 16884,11440 h40 r270; PIN_NUMBER "2" at 16884,11380 h40 r270; ASSEMBLY_TOP "100" at 16885,11435 h40 r270; ASSEMBLY_TOP "X" at 16885,11405 h40 r270; ASSEMBLY_TOP "X" at 16885,11370 h40 r270; SYMB_DIM "PAD 35X45OV" at 16975,11225 h40 r270; SYMB_DIM "SM  43X53OV" at 16915,11225 h40 r270; SYMB_DIM "SP  35X45OV" at 16845,11225 h40 r270; SYMB_DIM "R603-35X45" at 17090,11620 h40 r270; SYMB_DIM "0" at 16760,11430 h40 r270; SYMB_DIM "0" at 16880,11555 h40 r270
R545: PIN_NUMBER "2" at 16472,11705 h20 r90; PIN_NUMBER "1" at 16472,11665 h20 r90; ASSEMBLY_TOP "USERPART#" at 16630,11685 h25 r90; ASSEMBLY_TOP "TOLERANCE" at 16580,11685 h25 r90; ASSEMBLY_TOP "100K" at 16480,11685 h25 r90; SYMBOL_PART_DIM "0" at 16493,11593 h25 r90; SYMBOL_PART_DIM "0" at 16564,11677 h25 r90; SYMBOL_PART_DIM "C402-35X32" at 16618,11562 h25 r90; SYMBOL_PART_DIM "PAD 35X32 OV" at 16668,11562 h25 r90
R548: PIN_NUMBER "2" at 17269,12315 h40 r90; PIN_NUMBER "1" at 17269,12255 h40 r90; ASSEMBLY_TOP "9.09K 1%" at 17300,12260 h40 r90; ASSEMBLY_TOP "X" at 17300,12290 h40 r90; ASSEMBLY_TOP "X" at 17300,12325 h40 r90; SYMB_DIM "PAD 35X45OV" at 17210,12470 h40 r90; SYMB_DIM "SM  43X53OV" at 17270,12470 h40 r90; SYMB_DIM "SP  35X45OV" at 17340,12470 h40 r90; SYMB_DIM "R603-35X45" at 17095,12075 h40 r90; SYMB_DIM "0" at 17425,12265 h40 r90; SYMB_DIM "0" at 17305,12140 h40 r90
R549: PIN_NUMBER "2" at 17269,12255 h40 r90; PIN_NUMBER "1" at 17269,12315 h40 r90; SYMB_DIM "PAD 35X45OV" at 17210,12100 h40 r90; SYMB_DIM "SM  43X53OV" at 17270,12100 h40 r90; SYMB_DIM "SP  35X45OV" at 17340,12100 h40 r90; SYMB_DIM "R603-35X45" at 17095,12495 h40 r90; SYMB_DIM "0" at 17425,12305 h40 r90; SYMB_DIM "0" at 17305,12430 h40 r90; ASSEMBLY_BOTTOM "30.1K 1%" at 17300,12310 h40 r90; ASSEMBLY_BOTTOM "X" at 17300,12280 h40 r90; ASSEMBLY_BOTTOM "X" at 17300,12245 h40 r90
R550: PIN_NUMBER "2" at 17797,12380 h20; PIN_NUMBER "1" at 17837,12380 h20; ASSEMBLY_BOTTOM "USERPART#" at 17825,12230 h25; ASSEMBLY_BOTTOM "TOLERANCE" at 17825,12280 h25; ASSEMBLY_BOTTOM "100K" at 17825,12380 h25; SYMBOL_PART_DIM "0" at 17917,12367 h25; SYMBOL_PART_DIM "0" at 17833,12296 h25; SYMBOL_PART_DIM "C402-35X32" at 17948,12242 h25; SYMBOL_PART_DIM "PAD 35X32 OV" at 17948,12192 h25
R551: PIN_NUMBER "2" at 17682,12320 h20 r270; PIN_NUMBER "1" at 17682,12280 h20 r270; ASSEMBLY_BOTTOM "USERPART#" at 17540,12300 h25 r270; ASSEMBLY_BOTTOM "TOLERANCE" at 17590,12300 h25 r270; ASSEMBLY_BOTTOM "100K" at 17690,12300 h25 r270; SYMBOL_PART_DIM "0" at 17677,12208 h25 r270; SYMBOL_PART_DIM "0" at 17606,12292 h25 r270; SYMBOL_PART_DIM "C402-35X32" at 17552,12177 h25 r270; SYMBOL_PART_DIM "PAD 35X32 OV" at 17502,12177 h25 r270
R552: PIN_NUMBER "1" at 16257,12165 h20 r180; PIN_NUMBER "2" at 16297,12165 h20 r180; ASSEMBLY_BOTTOM "USERPART#" at 16285,12315 h25 r180; ASSEMBLY_BOTTOM "TOLERANCE" at 16285,12265 h25 r180; ASSEMBLY_BOTTOM "2.2K" at 16285,12165 h25 r180; SYMBOL_PART_DIM "0" at 16193,12178 h25 r180; SYMBOL_PART_DIM "0" at 16277,12249 h25 r180; SYMBOL_PART_DIM "C402-35X32" at 16162,12303 h25 r180; SYMBOL_PART_DIM "PAD 35X32 OV" at 16162,12353 h25 r180
R553: PIN_NUMBER "1" at 17667,12455 h20 r90; PIN_NUMBER "2" at 17667,12415 h20 r90; ASSEMBLY_BOTTOM "USERPART#" at 17825,12435 h25 r90; ASSEMBLY_BOTTOM "TOLERANCE" at 17775,12435 h25 r90; ASSEMBLY_BOTTOM "10K" at 17675,12435 h25 r90; SYMBOL_PART_DIM "0" at 17688,12527 h25 r90; SYMBOL_PART_DIM "0" at 17759,12443 h25 r90; SYMBOL_PART_DIM "C402-35X32" at 17813,12558 h25 r90; SYMBOL_PART_DIM "PAD 35X32 OV" at 17863,12558 h25 r90
R554: PIN_NUMBER "2" at 18009,12540 h40 r270; PIN_NUMBER "1" at 18009,12480 h40 r270; SYMB_DIM "PAD 35X45OV" at 18100,12695 h40 r270; SYMB_DIM "SM  43X53OV" at 18040,12695 h40 r270; SYMB_DIM "SP  35X45OV" at 17970,12695 h40 r270; SYMB_DIM "R603-35X45" at 18215,12300 h40 r270; SYMB_DIM "0" at 17885,12490 h40 r270; SYMB_DIM "0" at 18005,12365 h40 r270; ASSEMBLY_BOTTOM "1.5K 1%" at 18010,12485 h40 r270; ASSEMBLY_BOTTOM "X" at 18010,12515 h40 r270; ASSEMBLY_BOTTOM "X" at 18010,12550 h40 r270
R555: PIN_NUMBER "2" at 17934,12480 h40 r90; PIN_NUMBER "1" at 17934,12540 h40 r90; SYMB_DIM "PAD 35X45OV" at 17875,12325 h40 r90; SYMB_DIM "SM  43X53OV" at 17935,12325 h40 r90; SYMB_DIM "SP  35X45OV" at 18005,12325 h40 r90; SYMB_DIM "R603-35X45" at 17760,12720 h40 r90; SYMB_DIM "0" at 18090,12530 h40 r90; SYMB_DIM "0" at 17970,12655 h40 r90; ASSEMBLY_BOTTOM "2.0K 1%" at 17965,12535 h40 r90; ASSEMBLY_BOTTOM "X" at 17965,12505 h40 r90; ASSEMBLY_BOTTOM "X" at 17965,12470 h40 r90
R557: PIN_NUMBER "2" at 17797,12380 h20 r180; PIN_NUMBER "1" at 17837,12380 h20 r180; ASSEMBLY_TOP "USERPART#" at 17825,12530 h25 r180; ASSEMBLY_TOP "TOLERANCE" at 17825,12480 h25 r180; ASSEMBLY_TOP "100K" at 17825,12380 h25 r180; SYMBOL_PART_DIM "0" at 17917,12393 h25 r180; SYMBOL_PART_DIM "0" at 17833,12464 h25 r180; SYMBOL_PART_DIM "C402-35X32" at 17948,12518 h25 r180; SYMBOL_PART_DIM "PAD 35X32 OV" at 17948,12568 h25 r180
R590: PIN_NUMBER "1" at 16367,11515 h20 r90; PIN_NUMBER "2" at 16367,11555 h20 r90; ASSEMBLY_TOP "USERPART#" at 16525,11535 h25 r90; ASSEMBLY_TOP "TOLERANCE" at 16475,11535 h25 r90; ASSEMBLY_TOP "10" at 16375,11535 h25 r90; SYMBOL_PART_DIM "0" at 16388,11443 h25 r90; SYMBOL_PART_DIM "0" at 16459,11527 h25 r90; SYMBOL_PART_DIM "C402-35X32" at 16513,11412 h25 r90; SYMBOL_PART_DIM "PAD 35X32 OV" at 16563,11412 h25 r90
R591: PIN_NUMBER "1" at 17167,12110 h20 r270; PIN_NUMBER "2" at 17167,12070 h20 r270; ASSEMBLY_TOP "USERPART#" at 17025,12090 h25 r270; ASSEMBLY_TOP "TOLERANCE" at 17075,12090 h25 r270; ASSEMBLY_TOP "33" at 17175,12090 h25 r270; SYMBOL_PART_DIM "0" at 17162,12182 h25 r270; SYMBOL_PART_DIM "0" at 17091,12098 h25 r270; SYMBOL_PART_DIM "C402-35X32" at 17037,12213 h25 r270; SYMBOL_PART_DIM "PAD 35X32 OV" at 16987,12213 h25 r270
R592: PIN_NUMBER "2" at 17117,12070 h20 r270; PIN_NUMBER "1" at 17117,12110 h20 r270; ASSEMBLY_TOP "USERPART#" at 16975,12090 h25 r270; ASSEMBLY_TOP "TOLERANCE" at 17025,12090 h25 r270; ASSEMBLY_TOP "33" at 17125,12090 h25 r270; SYMBOL_PART_DIM "0" at 17112,12182 h25 r270; SYMBOL_PART_DIM "0" at 17041,12098 h25 r270; SYMBOL_PART_DIM "C402-35X32" at 16987,12213 h25 r270; SYMBOL_PART_DIM "PAD 35X32 OV" at 16937,12213 h25 r270
R593: PIN_NUMBER "2" at 17067,12070 h20 r270; PIN_NUMBER "1" at 17067,12110 h20 r270; ASSEMBLY_TOP "USERPART#" at 16925,12090 h25 r270; ASSEMBLY_TOP "TOLERANCE" at 16975,12090 h25 r270; ASSEMBLY_TOP "33" at 17075,12090 h25 r270; SYMBOL_PART_DIM "0" at 17062,12182 h25 r270; SYMBOL_PART_DIM "0" at 16991,12098 h25 r270; SYMBOL_PART_DIM "C402-35X32" at 16937,12213 h25 r270; SYMBOL_PART_DIM "PAD 35X32 OV" at 16887,12213 h25 r270
R594: PIN_NUMBER "1" at 17217,12110 h20 r270; PIN_NUMBER "2" at 17217,12070 h20 r270; ASSEMBLY_TOP "USERPART#" at 17075,12090 h25 r270; ASSEMBLY_TOP "TOLERANCE" at 17125,12090 h25 r270; ASSEMBLY_TOP "33" at 17225,12090 h25 r270; SYMBOL_PART_DIM "0" at 17212,12182 h25 r270; SYMBOL_PART_DIM "0" at 17141,12098 h25 r270; SYMBOL_PART_DIM "C402-35X32" at 17087,12213 h25 r270; SYMBOL_PART_DIM "PAD 35X32 OV" at 17037,12213 h25 r270
R595: PIN_NUMBER "2" at 17417,11800 h20; PIN_NUMBER "1" at 17377,11800 h20; ASSEMBLY_TOP "USERPART#" at 17405,11650 h25; ASSEMBLY_TOP "TOLERANCE" at 17405,11700 h25; ASSEMBLY_TOP "33" at 17405,11800 h25; SYMBOL_PART_DIM "0" at 17313,11787 h25; SYMBOL_PART_DIM "0" at 17397,11716 h25; SYMBOL_PART_DIM "C402-35X32" at 17282,11662 h25; SYMBOL_PART_DIM "PAD 35X32 OV" at 17282,11612 h25
R597: PIN_NUMBER "1" at 16537,11405 h20; PIN_NUMBER "2" at 16497,11405 h20; ASSEMBLY_BOTTOM "USERPART#" at 16525,11255 h25; ASSEMBLY_BOTTOM "TOLERANCE" at 16525,11305 h25; ASSEMBLY_BOTTOM "100K" at 16525,11405 h25; SYMBOL_PART_DIM "0" at 16617,11392 h25; SYMBOL_PART_DIM "0" at 16533,11321 h25; SYMBOL_PART_DIM "C402-35X32" at 16648,11267 h25; SYMBOL_PART_DIM "PAD 35X32 OV" at 16648,11217 h25
R598: PIN_NUMBER "1" at 16537,11405 h20 r270; PIN_NUMBER "2" at 16537,11365 h20 r270; ASSEMBLY_TOP "USERPART#" at 16395,11385 h25 r270; ASSEMBLY_TOP "TOLERANCE" at 16445,11385 h25 r270; ASSEMBLY_TOP "100K" at 16545,11385 h25 r270; SYMBOL_PART_DIM "0" at 16532,11477 h25 r270; SYMBOL_PART_DIM "0" at 16461,11393 h25 r270; SYMBOL_PART_DIM "C402-35X32" at 16407,11508 h25 r270; SYMBOL_PART_DIM "PAD 35X32 OV" at 16357,11508 h25 r270
R599: PIN_NUMBER "2" at 16347,11760 h20; PIN_NUMBER "1" at 16387,11760 h20; ASSEMBLY_BOTTOM "USERPART#" at 16375,11610 h25; ASSEMBLY_BOTTOM "TOLERANCE" at 16375,11660 h25; ASSEMBLY_BOTTOM "10K" at 16375,11760 h25; SYMBOL_PART_DIM "0" at 16467,11747 h25; SYMBOL_PART_DIM "0" at 16383,11676 h25; SYMBOL_PART_DIM "C402-35X32" at 16498,11622 h25; SYMBOL_PART_DIM "PAD 35X32 OV" at 16498,11572 h25
R600: PIN_NUMBER "1" at 16692,11330 h20 r270; PIN_NUMBER "2" at 16692,11290 h20 r270; ASSEMBLY_TOP "USERPART#" at 16550,11310 h25 r270; ASSEMBLY_TOP "TOLERANCE" at 16600,11310 h25 r270; ASSEMBLY_TOP "100K" at 16700,11310 h25 r270; SYMBOL_PART_DIM "0" at 16687,11402 h25 r270; SYMBOL_PART_DIM "0" at 16616,11318 h25 r270; SYMBOL_PART_DIM "C402-35X32" at 16562,11433 h25 r270; SYMBOL_PART_DIM "PAD 35X32 OV" at 16512,11433 h25 r270
R601: PIN_NUMBER "1" at 16742,11330 h20 r90; PIN_NUMBER "2" at 16742,11290 h20 r90; ASSEMBLY_BOTTOM "USERPART#" at 16900,11310 h25 r90; ASSEMBLY_BOTTOM "TOLERANCE" at 16850,11310 h25 r90; ASSEMBLY_BOTTOM "100K" at 16750,11310 h25 r90; SYMBOL_PART_DIM "0" at 16763,11402 h25 r90; SYMBOL_PART_DIM "0" at 16834,11318 h25 r90; SYMBOL_PART_DIM "C402-35X32" at 16888,11433 h25 r90; SYMBOL_PART_DIM "PAD 35X32 OV" at 16938,11433 h25 r90
R602: PIN_NUMBER "1" at 17167,11330 h20 r90; PIN_NUMBER "2" at 17167,11290 h20 r90; ASSEMBLY_BOTTOM "USERPART#" at 17325,11310 h25 r90; ASSEMBLY_BOTTOM "TOLERANCE" at 17275,11310 h25 r90; ASSEMBLY_BOTTOM "100K" at 17175,11310 h25 r90; SYMBOL_PART_DIM "0" at 17188,11402 h25 r90; SYMBOL_PART_DIM "0" at 17259,11318 h25 r90; SYMBOL_PART_DIM "C402-35X32" at 17313,11433 h25 r90; SYMBOL_PART_DIM "PAD 35X32 OV" at 17363,11433 h25 r90
R603: PIN_NUMBER "2" at 17117,11290 h20 r90; PIN_NUMBER "1" at 17117,11330 h20 r90; ASSEMBLY_BOTTOM "USERPART#" at 17275,11310 h25 r90; ASSEMBLY_BOTTOM "TOLERANCE" at 17225,11310 h25 r90; ASSEMBLY_BOTTOM "10K" at 17125,11310 h25 r90; SYMBOL_PART_DIM "0" at 17138,11402 h25 r90; SYMBOL_PART_DIM "0" at 17209,11318 h25 r90; SYMBOL_PART_DIM "C402-35X32" at 17263,11433 h25 r90; SYMBOL_PART_DIM "PAD 35X32 OV" at 17313,11433 h25 r90
R604: PIN_NUMBER "1" at 16992,11330 h20 r90; PIN_NUMBER "2" at 16992,11290 h20 r90; ASSEMBLY_BOTTOM "USERPART#" at 17150,11310 h25 r90; ASSEMBLY_BOTTOM "TOLERANCE" at 17100,11310 h25 r90; ASSEMBLY_BOTTOM "33" at 17000,11310 h25 r90; SYMBOL_PART_DIM "0" at 17013,11402 h25 r90; SYMBOL_PART_DIM "0" at 17084,11318 h25 r90; SYMBOL_PART_DIM "C402-35X32" at 17138,11433 h25 r90; SYMBOL_PART_DIM "PAD 35X32 OV" at 17188,11433 h25 r90
R605: PIN_NUMBER "1" at 16792,11330 h20 r90; PIN_NUMBER "2" at 16792,11290 h20 r90; ASSEMBLY_BOTTOM "USERPART#" at 16950,11310 h25 r90; ASSEMBLY_BOTTOM "TOLERANCE" at 16900,11310 h25 r90; ASSEMBLY_BOTTOM "33" at 16800,11310 h25 r90; SYMBOL_PART_DIM "0" at 16813,11402 h25 r90; SYMBOL_PART_DIM "0" at 16884,11318 h25 r90; SYMBOL_PART_DIM "C402-35X32" at 16938,11433 h25 r90; SYMBOL_PART_DIM "PAD 35X32 OV" at 16988,11433 h25 r90
R606: PIN_NUMBER "1" at 16842,11330 h20 r90; PIN_NUMBER "2" at 16842,11290 h20 r90; ASSEMBLY_BOTTOM "USERPART#" at 17000,11310 h25 r90; ASSEMBLY_BOTTOM "TOLERANCE" at 16950,11310 h25 r90; ASSEMBLY_BOTTOM "33" at 16850,11310 h25 r90; SYMBOL_PART_DIM "0" at 16863,11402 h25 r90; SYMBOL_PART_DIM "0" at 16934,11318 h25 r90; SYMBOL_PART_DIM "C402-35X32" at 16988,11433 h25 r90; SYMBOL_PART_DIM "PAD 35X32 OV" at 17038,11433 h25 r90
R607: PIN_NUMBER "1" at 16942,11330 h20 r90; PIN_NUMBER "2" at 16942,11290 h20 r90; ASSEMBLY_BOTTOM "USERPART#" at 17100,11310 h25 r90; ASSEMBLY_BOTTOM "TOLERANCE" at 17050,11310 h25 r90; ASSEMBLY_BOTTOM "33" at 16950,11310 h25 r90; SYMBOL_PART_DIM "0" at 16963,11402 h25 r90; SYMBOL_PART_DIM "0" at 17034,11318 h25 r90; SYMBOL_PART_DIM "C402-35X32" at 17088,11433 h25 r90; SYMBOL_PART_DIM "PAD 35X32 OV" at 17138,11433 h25 r90
R608: PIN_NUMBER "1" at 16892,11330 h20 r90; PIN_NUMBER "2" at 16892,11290 h20 r90; ASSEMBLY_BOTTOM "USERPART#" at 17050,11310 h25 r90; ASSEMBLY_BOTTOM "TOLERANCE" at 17000,11310 h25 r90; ASSEMBLY_BOTTOM "33" at 16900,11310 h25 r90; SYMBOL_PART_DIM "0" at 16913,11402 h25 r90; SYMBOL_PART_DIM "0" at 16984,11318 h25 r90; SYMBOL_PART_DIM "C402-35X32" at 17038,11433 h25 r90; SYMBOL_PART_DIM "PAD 35X32 OV" at 17088,11433 h25 r90
R609: PIN_NUMBER "1" at 16692,11330 h20 r90; PIN_NUMBER "2" at 16692,11290 h20 r90; ASSEMBLY_BOTTOM "USERPART#" at 16850,11310 h25 r90; ASSEMBLY_BOTTOM "TOLERANCE" at 16800,11310 h25 r90; ASSEMBLY_BOTTOM "33" at 16700,11310 h25 r90; SYMBOL_PART_DIM "0" at 16713,11402 h25 r90; SYMBOL_PART_DIM "0" at 16784,11318 h25 r90; SYMBOL_PART_DIM "C402-35X32" at 16838,11433 h25 r90; SYMBOL_PART_DIM "PAD 35X32 OV" at 16888,11433 h25 r90
R610: PIN_NUMBER "1" at 16742,11330 h20 r270; PIN_NUMBER "2" at 16742,11290 h20 r270; ASSEMBLY_TOP "USERPART#" at 16600,11310 h25 r270; ASSEMBLY_TOP "TOLERANCE" at 16650,11310 h25 r270; ASSEMBLY_TOP "33" at 16750,11310 h25 r270; SYMBOL_PART_DIM "0" at 16737,11402 h25 r270; SYMBOL_PART_DIM "0" at 16666,11318 h25 r270; SYMBOL_PART_DIM "C402-35X32" at 16612,11433 h25 r270; SYMBOL_PART_DIM "PAD 35X32 OV" at 16562,11433 h25 r270